# Altium PCB HLib-MBoard1.PcbDoc (part 1 of 2)
Units mil, origin at the board's own origin, x right, y up, seen from the top; angles counter-clockwise.
Board outline 4000.62 x 2451.24 mil, 2 copper layers (Top Layer, Bottom Layer), stack 65.792 mil thick; 130 components, 125 nets, 444 pads, 159 vias.
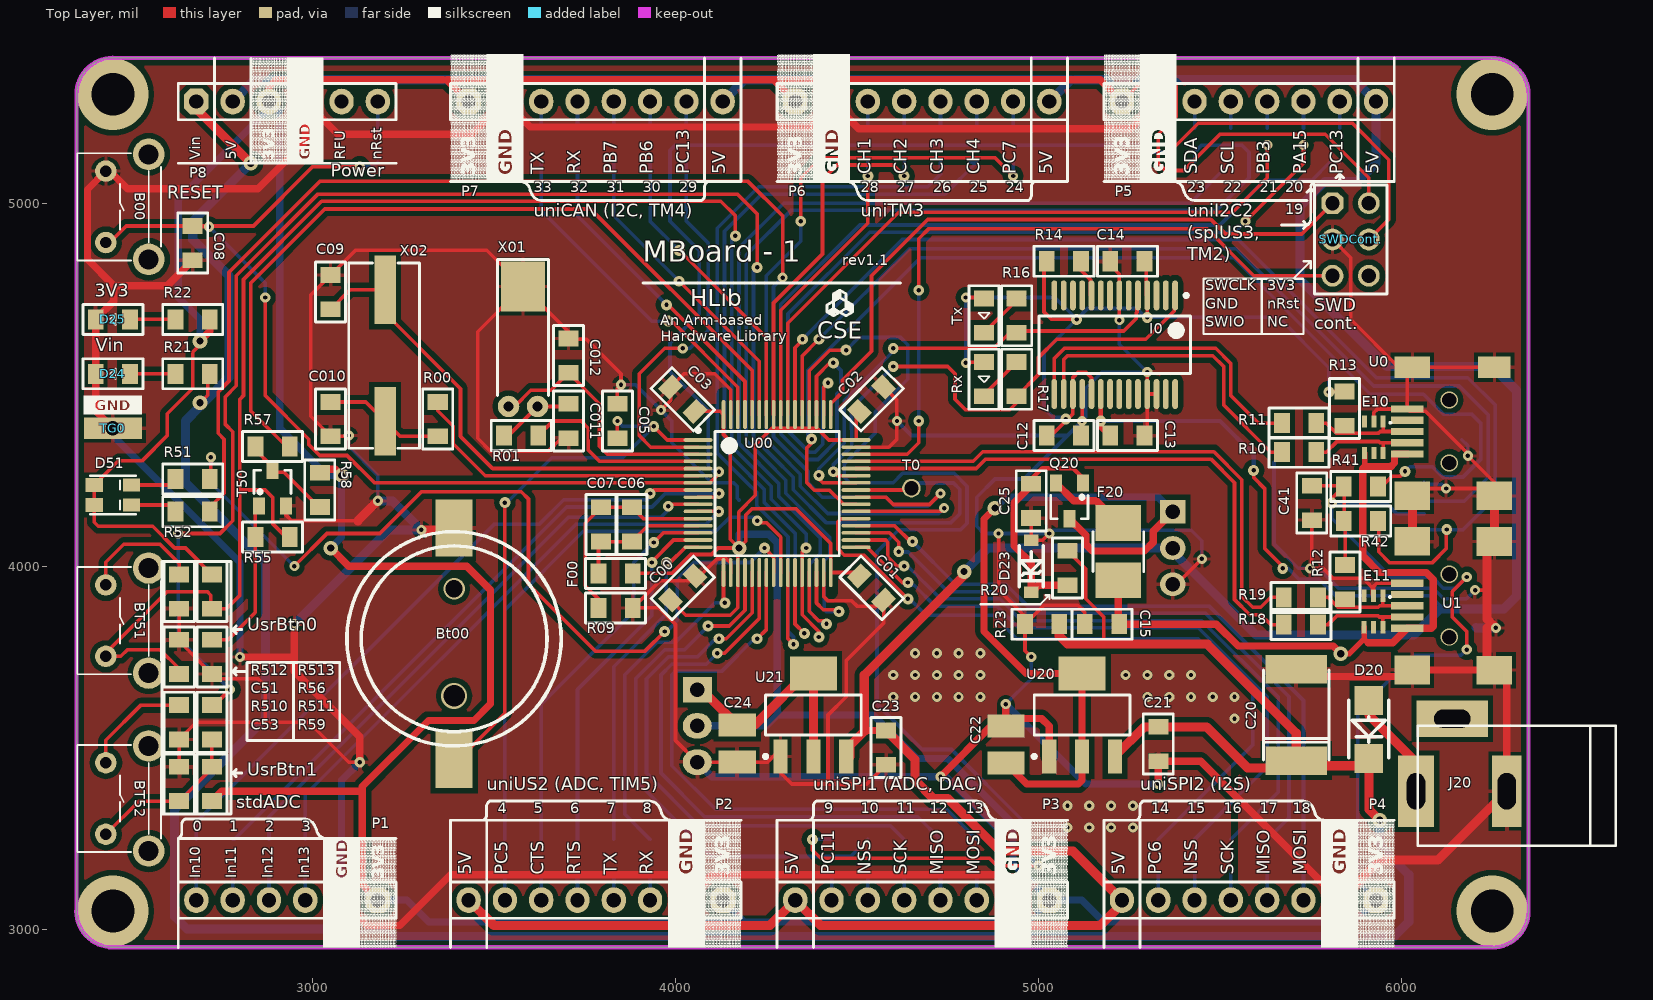
[diagram p0: Top Layer view]
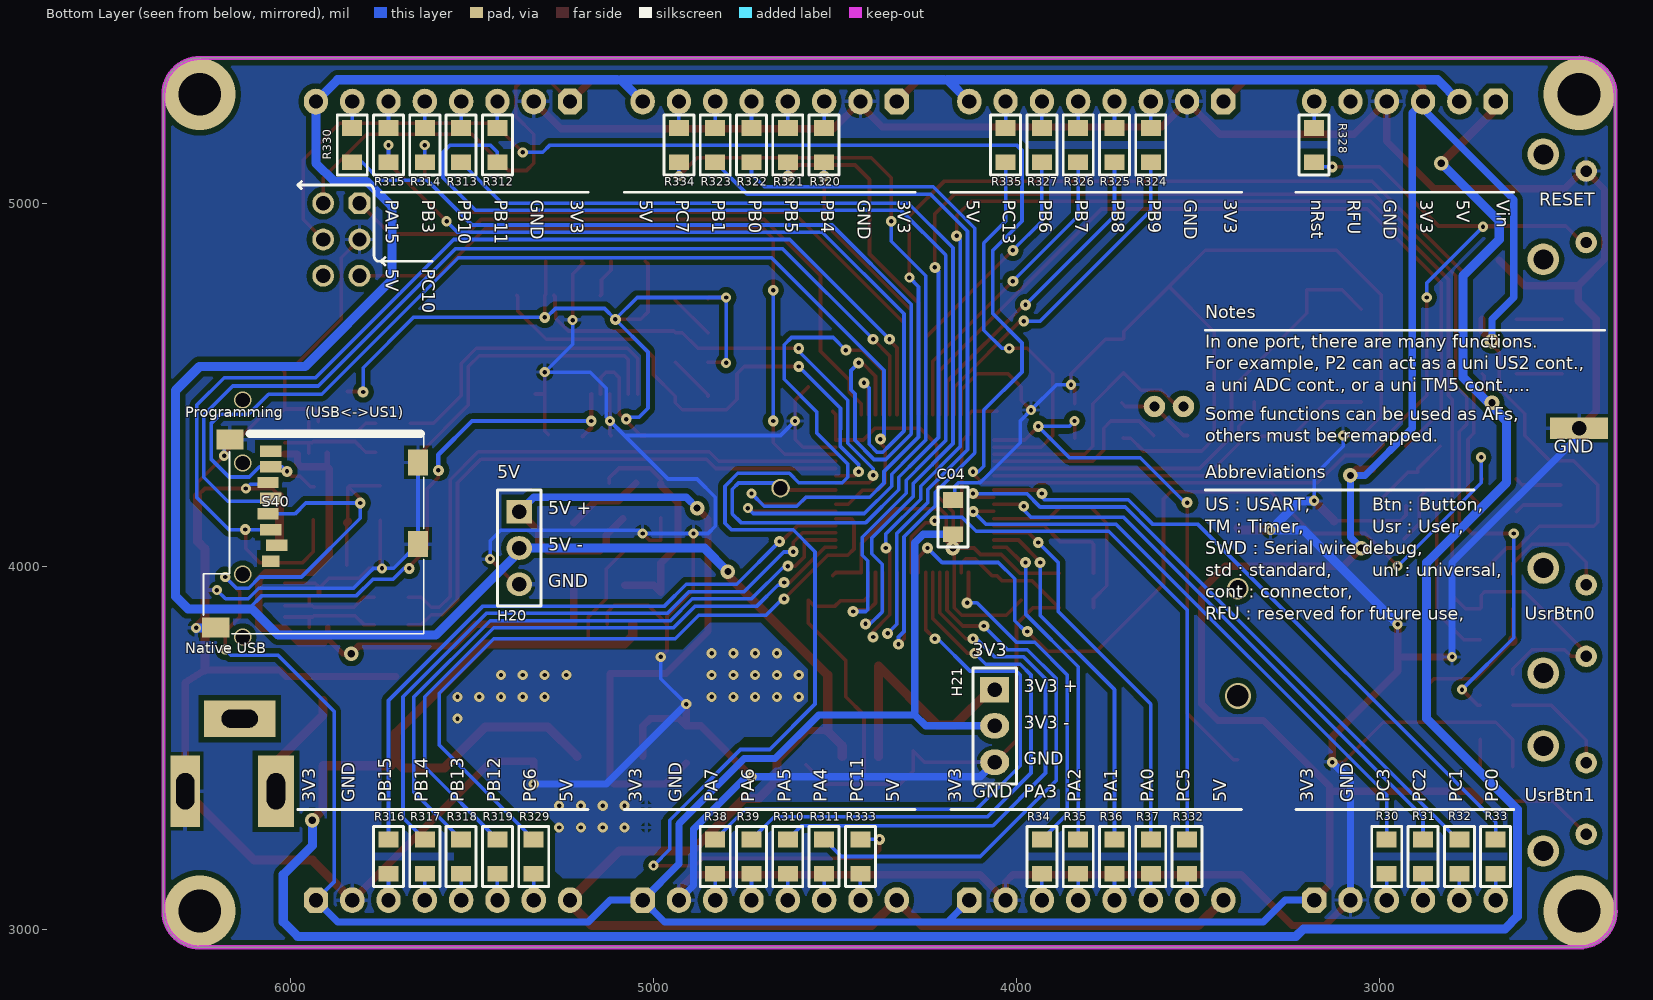
[diagram p1: Bottom Layer view, seen from below]

## Layer stack, top to bottom
Top Layer: signal copper 1.4
Dielectric: core 62.9921, FR-4, Dk 4.8
Bottom Layer: signal copper 1.4

## Board outline
2450,2950 cw(c2449.45,3050.07) 2349.38,3049.88 2350,3049.88 2350,5300 cw(c2450.07,5300.55) 2449.88,5400.62 2449.88,5400 6249.38,5400 6249.38,5399.88 cw(c6249.93,5299.81) 6350,5300 6350,3050 cw(c6249.93,3049.45) 6250.12,2949.38 6250.12,2950

## Design rules (kind name [scope] priority, off if disabled: settings)
Clearance Clearance_1 [(InNamedPolygon('PwrBot') OR InNamedPolygon('PwrTop'))] p1: gap=15
Clearance [(InNamedPolygon('Bot') OR InNamedPolygon('Top'))] p2: gap=15
Clearance Clearance_2 [All] p3: gap=9
DiffPairsRouting DiffPairsRouting_1 [All] p1: maxlimit=10 minlimit=10 mostfreqgap=10 maxuncoupledlength=500
HoleSize [All] p1: absolutevalues=TRUE maxlimit=300 minlimit=1 maxpercent=80.000 minpercent=20.000
PolygonConnect PolygonConnect_1 [(InNamedPolygon('PwrBot') OR InNamedPolygon('PwrTop'))] p1: connectstyle=Direct reliefconductorwidth=10 reliefentries=4 polygonreliefangle="90 Angle" airgapwidth=10
PolygonConnect [All] p2: connectstyle=Relief reliefconductorwidth=10 reliefentries=4 polygonreliefangle="90 Angle" airgapwidth=10
RoutingVias [All] p1: holewidth=25 width=40 viastyle="Through Hole" minholewidth=28 minwidth=50 maxholewidth=28 maxwidth=50
SilkToSilkClearance [All] p1: silktosilkclearance=1
SolderMaskExpansion [All] p1: expansion=4
Width [All] p1: maxlimit=30 minlimit=10 preferedwidth=10
25 further rules are at their usual default settings.

## Classes and differential pairs
component class U_MB1-SD_CARD: C41 R41 R42 S40
component class U_MB1-LED_BUTTON: BT51 BT52 C51 C53 D51 R51 R52 R55 R56 R57 R58 R59 R510 R511 R512 R513 T0 T50
component class U_MB1-USB-r1: C12 C13 C14 C15 E10 E11 I0 R10 R11 R12 R13 R14 R16 R17 R18 R19 Rx Tx U0 U1
component class U_MB1-Pwr-r1: C20 C21 C22 C23 C24 C25 D20 D23 D24 D25 F20 H20 H21 J20 Q20 R20 R21 R22 R23 TG0 U20 U21
component class U_MB1-MCU-r1: B00 Bt00 C00 C01 C02 C03 C04 C05 C06 C07 C08 C09 C010 C011 C012 F00 R00 R01 R09 SWDCont. U00 X01 X02
component class U_MB1-Hed-r1: P1 P2 P3 P4 P5 P6 P7 P8 R30 R31 R32 R33 R34 R35 R36 R37 R38 R39 R310 R311 R312 R313 R314 R315 R316 R317 R318 R319 R320 R321 R322 R323 R324 R325 R326 R327 R328 R329 R330 R332 R333 R334 R335
differential pair D11: +D11_P -D11_N
differential pair D10: +D10_P -D10_N
differential pair D03: +D03_P -D03_N
differential pair D01: +D01_P -D01_N

## Components (designator, comment, footprint, x,y, rotation, side; value= is the part's Value field where it differs from the comment)
B00 "Btn4" Horizon_SW_4pin_rectangular 2470,4990 r270 top
Bt00 "PIN 3V" PIN3VSOCKET-SMD 3390,3800 r270 top (schematic designator B0)
BT51 "User0/Boot" Horizon_SW_4pin_rectangular 2470,3850 r270 top
BT52 "User1" Horizon_SW_4pin_rectangular 2470,3360 r270 top
C00 "CAP Ceramic" SM_0805_LD 4020,3940 r225 top
C01 "CAP Ceramic" SM_0805_LD 4540,3940 r135 top
C02 "CAP Ceramic" SM_0805_LD 4540,4460 r225 top
C03 "CAP Ceramic" SM_0805_LD 4020,4460 r315 top
C04 "CAP Ceramic" SM_0805_LD 4175,4135 r270 bottom
C05 "CAP Ceramic" SM_0805_LD 3840,4400 r270 top
C06 "CAP Ceramic" SM_0805_LD 3880,4115 r270 top
C07 "CAP Ceramic" SM_0805_LD 3795,4115 r270 top
C08 "CAP Ceramic" SM_0805_LD 2670,4890 r90 top
C09 "CAP Ceramic" SM_0805_LD 3050,4755 r270 top
C010 "CAP Ceramic" SM_0805_LD 3050,4405 r90 top
C011 "CAP Ceramic" SM_0805_LD 3705,4400 r90 top
C12 "CAP Ceramic" SM_0805_LD 5070,4360 r0 top
C012 "CAP Ceramic" SM_0805_LD 3705,4580 r270 top
C13 "CAP Ceramic" SM_0805_LD 5245,4360 r180 top
C14 "CAP Ceramic" SM_0805_LD 5245,4840 r0 top
C15 "CAP Ceramic" SM_0805_LD 5175,3840 r0 top
C20 "CapT" TantalumCaseD 5710,3590 r0 top
C21 "CAP Ceramic" SM_0805_LD 5330,3510 r90 top
C22 "CAP Ceramic" SM-1210 4910,3560 r270 top
C23 "CAP Ceramic" SM_0805_LD 4580,3500 r90 top
C24 "CAP Ceramic" SM-1210 4170,3460 r90 top
C25 "CAP Ceramic" SM_0805_LD 4980,4180 r90 top
C41 "CAP_Ceramic" SM_0805_LD 5752.83,4174 r90 top
C51 "CAP_Ceramic" SM_0805_LD 2632.76,3750 r270 top
C53 "CAP_Ceramic" SM_0805_LD 2632.76,3400 r270 top
D20 "1N4007" DO-214AC 5910,3550 r90 top
D23 "5V1/500mW" SOD-123 4980,4000 r90 top
D24 "Red" SM_0805_POL_LD 2450,4530 r180 top
D25 "Orange" SM_0805_POL_LD 2450,4680 r180 top
D51 "LedBiColor-1210" Led-BiColor 2450,4200 r270 top
E10 "TPD4E1U06" SC70-6 5923.83,4355 r180 top
E11 "TPD4E1U06" SC70-6 5922.83,3875 r180 top (schematic designator E1)
F00 "Ferrite bead" SM_0805_LD 3835,3980 r0 top
F20 "F0.5A" SMD-1812 5220,4040 r90 top
H20 "Hed3" Hed3#1 5370,4150 r270 bottom
H21 "Hed3" Hed3#2 4060,3660 r270 bottom
I0 "PL2303-HXD" SSOP-28 5210,4610 r270 top
J20 "Jac DC" DCJack 6040,3380 r180 top
P1 "stdADC" Hed6 3180,3080 r180 top
P2 "uniUSART2/uniADC12/uniTimer5" Hed8 4130,3080 r180 top
P3 "uniSPI1/uniADC12/nuniDAC" Hed8 5030,3080 r180 top
P4 "uniSPI2/extI2S2" Hed8 5930,3080 r180 top (schematic designator P5)
P5 "splUSART3&3IO/uniI2C2/uniTM2" Hed8 5230,5280 r0 top (schematic designator P4)
P6 "uniTM3" Hed8 4330,5280 r0 top
P7 "uniCAN/uniI2C1/uniTM4" Hed8 3430,5280 r0 top
P8 "Power" Hed6 2680,5280 r0 top
Q20 "Si2301DS" SOT23 5085,4180 r180 top
R00 "" SM_0805_LD 3345,4405 r90 top
R01 "" SM_0805_LD 3575,4360 r180 top
R09 "" SM_0805_LD 3835,3885 r180 top
R10 "" SM_0805_LD 5717.83,4314 r0 top
R11 "" SM_0805_LD 5717.83,4394 r0 top
R12 "" SM_0805_LD 5844.83,3956 r270 top
R13 "" SM_0805_LD 5842.83,4434 r90 top
R14 "" SM_0805_LD 5070,4840 r180 top
R16 "" SM_0805_LD 4940,4690 r90 top
R17 "" SM_0805_LD 4940,4515 r90 top
R18 "" SM_0805_LD 5722.83,3839 r0 top
R19 "" SM_0805_LD 5722.83,3914 r0 top
R20 "" SM_0805_LD 5080,3995 r90 top
R21 "" SM_0805_LD 2670,4530 r0 top
R22 "" SM_0805_LD 2670,4680 r0 top
R23 "" SM_0805_LD 5010,3840 r0 top
R30 "R" SM_0805_LD 2980,3200 r270 bottom
R31 "R" SM_0805_LD 2880,3200 r270 bottom
R32 "R" SM_0805_LD 2780,3200 r270 bottom
R33 "R" SM_0805_LD 2680,3200 r270 bottom
R34 "R" SM_0805_LD 3930,3200 r270 bottom
R35 "R" SM_0805_LD 3830,3200 r270 bottom
R36 "R" SM_0805_LD 3730,3200 r270 bottom
R37 "R" SM_0805_LD 3630,3200 r270 bottom
R38 "R" SM_0805_LD 4830,3200 r270 bottom
R39 "R" SM_0805_LD 4730,3200 r270 bottom
R41 "" SM_0805_LD 5887.83,4219 r180 top
R42 "" SM_0805_LD 5887.83,4124 r180 top
R51 "" SM_0805_LD 2670,4240 r180 top
R52 "" SM_0805_LD 2670,4150 r180 top
R55 "" SM_0805_LD 2890,4080 r0 top
R56 "" SM_0805_LD 2722.76,3750 r90 top
R57 "" SM_0805_LD 2890,4330 r180 top
R58 "" SM_0805_LD 3020,4210 r90 top
R59 "" SM_0805_LD 2722.76,3400 r270 top
R310 "R" SM_0805_LD 4630,3200 r270 bottom
R311 "R" SM_0805_LD 4530,3200 r270 bottom
R312 "R" SM_0805_LD 5430,5160 r90 bottom
R313 "R" SM_0805_LD 5530,5160 r90 bottom
R314 "R" SM_0805_LD 5630,5160 r90 bottom
R315 "R" SM_0805_LD 5730,5160 r90 bottom
R316 "R" SM_0805_LD 5730,3200 r270 bottom
R317 "R" SM_0805_LD 5630,3200 r270 bottom
R318 "R" SM_0805_LD 5530,3200 r270 bottom
R319 "R" SM_0805_LD 5430,3200 r270 bottom
R320 "R" SM_0805_LD 4530,5160 r90 bottom
R321 "R" SM_0805_LD 4630,5160 r90 bottom
R322 "R" SM_0805_LD 4730,5160 r90 bottom
R323 "R" SM_0805_LD 4830,5160 r90 bottom
R324 "R" SM_0805_LD 3630,5160 r90 bottom
R325 "R" SM_0805_LD 3730,5160 r90 bottom
R326 "R" SM_0805_LD 3830,5160 r90 bottom
R327 "R" SM_0805_LD 3930,5160 r90 bottom
R328 "R" SM_0805_LD 3180,5160 r90 bottom
R329 "R" SM_0805_LD 5330,3200 r270 bottom
R330 "R" SM_0805_LD 5830,5160 r90 bottom
R332 "R" SM_0805_LD 3530,3200 r270 bottom
R333 "R" SM_0805_LD 4430,3200 r270 bottom
R334 "R" SM_0805_LD 4930,5160 r90 bottom
R335 "R" SM_0805_LD 4030,5160 r90 bottom
R510 "" SM_0805_LD 2632.76,3570 r90 top
R511 "" SM_0805_LD 2722.76,3570 r90 top
R512 "" SM_0805_LD 2632.76,3930 r90 top
R513 "" SM_0805_LD 2722.76,3930 r90 top
Rx "Blue" SM_0805_POL_LD 4850,4515 r270 top
S40 "micro-SD" micro-SD 5632.83,3814 r90 bottom (schematic designator S0)
SWDCont. "SWD" Hed3x2-RA 5860,4900 r270 top
T0 "TestPoint" TestPoint#1 4650,4215 r0 top
T50 "C1815" SOT23 2890,4215 r0 top
TG0 "TestPoint" TestPoint#2 2450,4380 r0 top
Tx "Green" SM_0805_POL_LD 4850,4690 r270 top
U00 "STM32F103RDT6" LQFP64_L 4280,4200 r0 top
U0 "Usb2Com" USB-mini-B#1 6017.83,4309 r270 top
U1 "UsbNative" USB-mini-B#2 6017.83,3829 r270 top
U20 "AMS1117-5" MP04A_N 5120,3590 r90 top
U21 "AMS1117-3.3" MP04A_N 4380,3590 r90 top
X01 "Crystal 32.768 k" XT32-LOB 3580,4440 r180 top
X02 "Crystal 2 pin." HC49/US-SMD 3200,4580 r270 top

## Footprints (in the part's own frame and the unit in brackets; to place one, negate y for a bottom-side part, rotate by r counter-clockwise, add the part's x,y. Pads: shape width x height; smd on the part's side, far side on the other; paste and mask are expansions set on the pad)
DCJack [mm]
  rect 2.54x5 hole 1.27 slot 2.54 at 90 deg: 1(0,0)
  rect 2.032x5 hole 1.27 slot 2.54 at 90 deg: 2(-6.35,0)
  rect 5x2.54 hole 1.27 slot 2.54 at 0 deg: 3(-2.54,-5.08)
  silkscreen extent -13.97,-4.57 -0.13,3.81, body extent -13.47,-5.23 1.03,4.57, height 11
DO-214AC [mm]
  rect 2x2 smd: 1(2.03,0) 2(-2.03,0)
  silkscreen extent -1.98,-1.4 2.03,1.4, body extent -2.74,-1.4 2.74,1.4, height 2.29
HC49/US-SMD [mm]
  rect 4.8x1.5 smd: 1(-4.6,0) 2(4.6,0)
  silkscreen extent -6.48,-2.54 6.48,2.41, body extent -6.35,-2.41 6.35,2.29, height 4.2
Hed3#1 [mil]
  rect 65x70 hole 40: 1(0,0)
  oval 65x70 hole 40: 2(100,0) 3(200,0)
  silkscreen extent -60,-60 260,60
Hed3#2 [mil]
  rect 70x80 hole 40: 1(0,0)
  oval 70x80 hole 40: 2(100,0) 3(200,0)
  silkscreen extent -60,-60 260,60
Hed3x2-RA [mil]
  oct 60x60 hole 39.37: 1(-100,-50)
  round 60 hole 39.37: 2(-100,50) 3(0,-50) 4(0,50) 5(100,-50) 6(100,50)
  Mechanical 15 keep-out lines w3.94: 150,-100 150,100 -150,100 -150,-100
  silkscreen extent -150,-100 150,100, body extent -300,28 300,508, height 373
Hed6 [mm] "Header 6 pin 2.54mm"
  oct 1.7x1.8 hole 1: 1(0,0)
  oval 1.7x1.8 hole 1: 2(2.54,0) 3(5.08,0) 4(7.62,0) 5(10.16,0) 6(12.7,0)
  silkscreen extent -1.27,-1.27 13.97,1.27, body extent -1.27,-1.27 13.97,1.27, height 8
Hed8 [mm]
  oct 1.7x1.8 hole 1: 1(0,0)
  oval 1.7x1.8 hole 1: 2(2.54,0) 3(5.08,0) 4(7.62,0) 5(10.16,0) 6(12.7,0) 7(15.24,0) 8(17.78,0)
  silkscreen extent -1.27,-1.27 19.05,1.27, body extent -1.27,-1.27 19.05,1.27, height 8
Horizon_SW_4pin_rectangular [mm] "Horizon tact switch 4pin rectangular button"
  round 1.5 hole 0.8: 1(-2.5,-1) 2(2.5,-1)
  round 2.2 hole 1.4: 3(-3.675,2) 4(3.675,2)
  silkscreen extent -3.75,-3 3.75,2.85, body extent -3.9,-4.1 3.9,-0.5, height 3.5
Led-BiColor [mm]
  rect 0.9x1.2 smd: 1(0.8,1.3) 2(-0.6,1.3)
  rect 1x1.2 smd: 3(-0.6,-1.3) 4(0.8,-1.3)
  silkscreen extent -1.25,-1.6 1.45,1.6
LQFP64_L [mil] "Thin QFP, 64-Leads, Body 10x10mm, Pitch 0.5mm, IPC High Density"
  oval 80x10 smd: 1(-217.52,147.64) 2(-217.52,127.95) 3(-217.52,108.27) 4(-217.52,88.58) 5(-217.52,68.9) 6(-217.52,49.21) 7(-217.52,29.53) 8(-217.52,9.84) 9(-217.52,-9.84) 10(-217.52,-29.53) 11(-217.52,-49.21) 12(-217.52,-68.9) 13(-217.52,-88.58) 14(-217.52,-108.27) 15(-217.52,-127.95) 16(-217.52,-147.64) 33(217.52,-147.64) 34(217.52,-127.95) 35(217.52,-108.27) 36(217.52,-88.58) 37(217.52,-68.9) 38(217.52,-49.21) 39(217.52,-29.53) 40(217.52,-9.84) 41(217.52,9.84) 42(217.52,29.53) 43(217.52,49.21) 44(217.52,68.9) 45(217.52,88.58) 46(217.52,108.27) 47(217.52,127.95) 48(217.52,147.64)
  oval 10x80 smd: 17(-147.64,-217.52) 18(-127.95,-217.52) 19(-108.27,-217.52) 20(-88.58,-217.52) 21(-68.9,-217.52) 22(-49.21,-217.52) 23(-29.53,-217.52) 24(-9.84,-217.52) 25(9.84,-217.52) 26(29.53,-217.52) 27(49.21,-217.52) 28(68.9,-217.52) 29(88.58,-217.52) 30(108.27,-217.52) 31(127.95,-217.52) 32(147.64,-217.52) 49(147.64,217.52) 50(127.95,217.52) 51(108.27,217.52) 52(88.58,217.52) 53(68.9,217.52) 54(49.21,217.52) 55(29.53,217.52) 56(9.84,217.52) 57(-9.84,217.52) 58(-29.53,217.52) 59(-49.21,217.52) 60(-68.9,217.52) 61(-88.58,217.52) 62(-108.27,217.52) 63(-127.95,217.52) 64(-147.64,217.52)
  silkscreen extent -222,-171 171,179, body extent -197,-197 197,197, height 63
micro-SD [mm]
  rect 0.8x1.219 smd: 1(5.08,10.703)
  rect 0.8x1.5 smd: 2(6.18,10.303) 3(7.28,10.703) 4(8.38,10.903) 5(9.48,10.703) 6(10.58,10.903) 7(11.68,10.703) 8(12.78,10.703)
  rect 1.8x1.4 smd: 9(11.98,0.403) 10(6.28,0.403)
  rect 1.4x1.9 smd: 11(0.43,14.553) 12(13.58,13.553)
  silkscreen extent 0,0 14,15.42, body extent -0.08,-0.07 14.17,15.13, height 1.85
MP04A_N [mm] "SOT223, 4-Leads, Body 6.5x3.5mm, Pitch 2.3mm, Lead Span 7mm, IPC Medium Density"
  rect 2.4x1 smd: 1(-2.9,2.3) 2(-2.9,0) 3(-2.9,-2.3)
  rect 2.4x3.3 smd: 4(2.9,0)
  silkscreen extent -3.02,-3.35 1.4,3.47, body extent -1.85,-3.35 1.85,3.35, height 1.8
PIN3VSOCKET-SMD [mm]
  rect 4x2.6 smd: 1(8.46,0) 2(-7.74,0)
  silkscreen extent -7.5,-7.5 7.5,7.5, body extent -8.74,-7.49 9.76,7.5, height 3.94
SC70-6 [mm]
  rect 0.35x0.85 smd: 1(-0.65,-1.1) 2(0,-1.1) 3(0.65,-1.1) 4(0.65,1.1) 5(0,1.1) 6(-0.65,1.1)
  silkscreen extent -1.16,-1.03 -1.14,-1.01, body extent -1.07,-0.7 1.07,0.7, height 1.1
SM-1210 [mm]
  rect 1.6x2.6 smd: 1(0,0) 2(2.6,0)
  body extent -0.3,-1.25 2.9,1.25, height 0.74
SM_0805_LD [mm] "General Surface-mount RLC, low density"
  rect 1.1x1.4 smd: 1(-1.2,0) 2(1.2,0)
  silkscreen extent -2.1,-1.05 2.1,1.05, body extent -1.2,-0.7 1.2,0.7, height 0.7
SM_0805_POL_LD [mm] "General polarized surface-mount cap, led, diode, low density"
  rect 1.1x1.4 smd: 1(-1.2,0) 2(1.2,0)
  silkscreen extent -2.1,-1.05 2.1,1.05, body extent -1.2,-0.7 1.2,0.7, height 0.7
SMD-1812 [mm] "1.1AFuse"
  rect 2.5x3.2 smd: 1(-2,0) 2(2,0)
  silkscreen extent -1.4,-1.78 1.4,1.78, body extent -2.36,-1.7 2.37,1.71, height 1.34
SOD-123 [mm]
  rect 0.8x1 smd: 1(1.825,0) 2(-1.825,0)
  silkscreen extent -1.43,-0.85 1.43,0.85, body extent -1.93,-0.84 1.93,0.86, height 1.42
SOT23 [mm]
  rect 0.85x1.2 smd: 1(-0.95,-1.25) 2(0.94,-1.245) 3(0,1.25)
  silkscreen extent -1.3,-0.38 1.3,1.25, body extent -1.45,-1.4 1.45,1.4, height 1.3
SSOP-28 [mm]
  oval 2.1x0.4 smd: 1(-3.45,4.225) 2(-3.45,3.575) 3(-3.45,2.925) 4(-3.45,2.275) 5(-3.45,1.625) 6(-3.45,0.975) 7(-3.45,0.325) 8(-3.45,-0.325) 9(-3.45,-0.975) 10(-3.45,-1.625) 11(-3.45,-2.275) 12(-3.45,-2.925) 13(-3.45,-3.575) 14(-3.45,-4.225) 15(3.45,-4.225) 16(3.45,-3.575) 17(3.45,-2.925) 18(3.45,-2.275) 19(3.45,-1.625) 20(3.45,-0.975) 21(3.45,-0.325) 22(3.45,0.325) 23(3.45,0.975) 24(3.45,1.625) 25(3.45,2.275) 26(3.45,2.925) 27(3.45,3.575) 28(3.45,4.225)
  silkscreen extent -3.57,-5.3 2,5.3, body extent -2.7,-5.3 2.7,5.3, height 2
TantalumCaseD [mm] "Size D8, 100uF."
  rect 4.3x2 smd: 1(0,-3.2) 2(0,3.2)
  silkscreen extent -2.29,-3.15 2.29,3.15, body extent -2.15,-3.65 2.15,3.65, height 2.8
TestPoint#1 [mm]
  round 1.3 hole 1: 1(0,0)
TestPoint#2 [mm]
  rect 4.064x1.524 hole 1: 1(0,0)
USB-mini-B#1 [mil]
  rect 19.68x88.58 smd: 1(0,-2) 2(-31,-2) 3(-62,-2) 4(-93,-2) 5(-124,-2)
  rect 60x98.43 smd: 6(-239.17,12)
  rect 60x90 smd: 6(-239,238)
  rect 78.74x98.43 smd: 6(115.17,12) 6(115.33,238)
  body extent -273,-15 149,348, height 156
USB-mini-B#2 [mil]
  rect 19.68x88.58 smd: 1(0,-2) 2(-31,-2) 3(-62,-2) 4(-93,-2) 5(-124,-2)
  rect 78.74x98.43 smd: 6(-239.17,12) 6(115.17,12) 6(115.33,238)
  rect 78.74x98.42 smd: 6(-239,238)
  body extent -273,-15 149,348, height 156
XT32-LOB [mm] "Crystal 32K, cylinder, lie on board"
  rect 3.1x3.5 smd: 0(0,-8.4)
  round 1.5 hole 0.7: 1(-1.016,0) 2(1.016,0)
  silkscreen extent -1.78,-10.29 1.78,-0.76, body extent -1.56,-9.56 1.52,-1.36, height 3.1

## Part data
Bt00: "Battery 3VDC"
BT51 BT52: library part Button, "Tact switch"
C00 C01 C02 C03 C04 C05 C06 C07 C08 C09 C010 C011 C12 C012 C13 C14 C15 C21 C22 C23 C24 C25: "Non-polarity ceramic capacitor"
C20: library part CapA
C41 C51 C53: library part C_Ceramic, "Non-polarity ceramic capacitor"
D20: library part D1A, "Diode 1A"
D23: library part DZ, "Diode Zenner"
D24 D25 Rx Tx: library part LED, "LED"
F00 R00 R01 R09 R10 R11 R12 R13 R14 R16 R17 R18 R19 R20 R21 R22 R23 R41 R42 R51 R52 R55 R56 R57 R58 R59 R510 R511 R512 R513: library part R, "Resistor"
F20: library part Fuse, "Fuse"
J20: library part DCIN, "Jac DC input"
P1 P8: library part Hed6
P2 P3 P4 P5 P6 P7: library part Hed8
Q20: library part P-MOSFET, "P-Channel 1.25-W, 2.5-V MOSFET"
R30 R31 R32 R33 R34 R35 R36 R37 R38 R39 R310 R311 R312 R313 R314 R315 R316 R317 R318 R319 R320 R321 R322 R323 R324 R325 R326 R327 R328 R329 R330 R332 R333 R334 R335: "Resistor"
SWDCont.: library part HD_3x2, "Header, 3-pins/row, double row,"
U00: library part STM32F103RBT6, "STM32 ARM-based 32-bit MCU with 128 Kbytes Flash, 64-pin LQFP, Industrial Temperature"
U0 U1: library part USB-Mini-B
U20 U21: library part LM1117IMP-3.3, "800mA Low-Dropout Linear Regulator, 4-pin SOT-223"
X01: library part XT32k
X02: library part XT2

## Via types
v1: diameter 28, hole 12, Top Layer to Bottom Layer, tented both sides, 80 vias
v2: diameter 30, hole 12, Top Layer to Bottom Layer, tented both sides, 59 vias
v3: diameter 40, hole 20, Top Layer to Bottom Layer, tented both sides, 10 vias
v4: diameter 196.85, hole 118.11, Top Layer to Bottom Layer, tented both sides, 4 vias
v5: diameter 47.24, hole 39.37, Top Layer to Bottom Layer, 4 vias
v6: diameter 70.87, hole 59.06, Top Layer to Bottom Layer, 1 vias
v7: diameter 59.06, hole 47.24, Top Layer to Bottom Layer, 1 vias

## Nets (pads, with @x,y where several pads share a name; then routed paths per layer and width w, separated by ;. In a path a pad name is that pad's centre, name@x,y a point inside that pad or via, vN(x,y) a via of type N, cw(c..) or ccw(c..) an arc to the next point about the centre after c; other vN are vias at no path point)
3V3: C00.2 C01.2 C02.2 C03.2 C04.2 C41.2 D51.3 D51.4 F00.2 H21.2 P1.1 P2.1 P3.1 P4.1 P5.1 P6.1 P7.1 P8.3 R12.1 R22.2 R41.2 R42.2 R58.2 R59.2 R513.2 S40.4 SWDCont..2 U00.19 U00.32 U00.48 U00.64 | length 18569.6
  Top Layer w10: v3(2690,4620) 2690,4610 2670,4590 2670,4490 2600,4420 2600,4360 2530,4290 2465.2,4290 D51.3@2398.82,4223.62 D51.4@2398.82,4168.5 2398.82,4121.18 2410,4110 2560,4110 2620,4050 2650,4050 R513.2@2722.76,3977.24 ; F00.2@3882.24,3980 3990,3980 4042.21,4032.21 4099.21,4032.21 4117,4050 v3@4174,4050 ; C00.2@3986.59,3906.59 4028.19,3865 4151,3865 4171.73,3885.73 U00.19@4171.73,3982.48 4171.73,4046.73 4174,4049 v3@4174,4050 ; C03.2@4053.41,4426.59 4123.29,4426.59 U00.64@4132.36,4417.52 4132.36,4362.64 4151,4344 4151,4074 v3@4174,4051 ; C01.2@4506.59,3973.41 4497.52,3982.48 U00.32@4427.64,3982.48 4427.64,4062.36 4331.42,4158.58 4211.15,4158.58 4193.58,4141.01 4193.58,4068.58 v3(4175,4050) v3@4174,4050 ; C02.2@4506.59,4426.59 4497.52,4417.52 U00.48@4497.52,4347.64 4422.36,4347.64 4390,4380 4266,4380 4220,4334 4220,4195 4174,4149 v3@4174,4051 ; P5.1@5230,5280 5290,5340 5360,5340 5380,5320 5380,5240 5330,5190 5330,5110 5350,5090 5400,5090 5500,5190 5790,5190 5910,5070 SWDCont..2@5910,5000 ; C41.2@5752.83,4221.24 5838.35,4221.24 R41.2@5840.59,4219 ; v2(5807.83,4174) 5807.83,4186.24 R41.2@5840.59,4219 ; R42.2@5842.59,4128 5842.59,4217 R41.2@5840.59,4219 ; R12.1@5844.83,4003.24 R42.2@5844.83,4119.76 ; v1(6180,3770) 6180,3820 6140,3860 6140,3930 v1(6180,3970) ; v3@4174,4050 v3@4174,4051
  Top Layer w20: v3(2690,4620) 2717.24,4647.24 R22.2@2717.24,4680 ; R59.2@2722.76,3352.76 2750,3380 3137.24,3380 ; P8.3@2880,5280 2880,5320 2900,5340 3360,5340 ; R58.2@3020,4267.24 3062.76,4267.24 v3(3080,4250) ; v3(3050,4050) 3100,4000 3425,4000 3490,3935 3490,3620 3445,3575 3319.49,3575 3137.24,3392.76 3137.24,3380 ; P1.1@3180,3080 3137.24,3122.76 3137.24,3380 ; P7.1@3430,5280 3370,5340 4270,5340 ; P6.1@4330,5280 4270,5340 ; P5.1@5230,5280 5170,5340 4270,5340 ; R42.2@5840.59,4124 R42.2@5844.83,4119.76
  Bottom Layer w10: P4.1@5930,3080 5880,3130 5880,3600 6035,3755 6165,3755 v1(6180,3770) ; S40.4@6062.07,4143.92 5987.91,4143.92 5957.83,4174 v2(5807.83,4174) 5807.83,4132.17 5970,3970 6084.4,3970 6115.41,3938.99 6148.99,3938.99 v1(6180,3970)
  Bottom Layer w20: v3(2690,4620) 2690,4680 2630,4740 2630,5010 2880,5260 P8.3@2880,5280 2910,5250 2910,4380 3040,4250 v3(3080,4250) 3080,4080 v3(3050,4050) ; P1.1@3180,3080 3260,3080 3320,3020 4190,3020 ; H21.2@4060,3560 4250,3560 4280,3590 ; P2.1@4130,3080 4190,3020 ; v3(4175,4050) C04.2@4175,4087.76 4256.74,4087.76 4280,4064.5 4280,3590 ; P4.1@5930,3080 5870,3020 5180,3020 5120,3080 P3.1@5030,3080 ; 4190,3020 4970,3020 P3.1@5030,3080 ; 4280,3590 4545,3590 4665,3470 4750,3470 4930,3290 4930,3180 P3.1@5030,3080
5V: C13.2 C23.2 H20.2 I0.20 P2.8 P3.8 P4.8 P5.8 P6.8 P7.8 P8.2 U21.3 | length 11885
  Top Layer w10: v2(5592.83,4264) 5592.83,4244 5622.83,4214 5622.83,4049 v2@5675.33,3996.5
  Top Layer w12: I0.20@5171.61,4474.17 v2(5171.61,4400) 5171.61,4381.14 C13.2@5195.26,4357.5
  Top Layer w20: 4520,3545.28 4521.97,3547.24 C23.2@4580,3547.24
  Top Layer w25: P2.8@3430,3080 3500,3010 4260,3010 P3.8@4330,3080 4400,3010 5170,3010 5230,3070 P4.8@5230,3080 5095,3215 4895,3215 4750,3360 4710,3360 4660,3410 4660,3467.24 C23.2@4580,3547.24 ; U21.3@4480,3475.83 4480,3505.28 4520,3545.28 4520,3700 4795,3975 v3(4795,3985)
  Bottom Layer w10: v2(5672.83,3994) 5687.64,3994 5717.64,3964 5772.98,3964 5817.98,3919 6078.84,3919 6113.84,3884
  Bottom Layer w12: v2(5171.61,4400) 5500,4400 5592.83,4307.17 v2(5592.83,4264)
  Bottom Layer w25: P8.2@2780,5280 2840,5340 4190,5340 P7.8@4130,5280 ; 4200,5340 5090,5340 P6.8@5030,5280 ; v3(4795,3985) 4860,4050 H20.2@5370,4050 5370,4040 5600,3810 6033.83,3810 6106.33,3882.5 6282.5,3882.5 6316.79,3916.79 6316.79,4483.93 6250.73,4550 5960,4550 5720,4790 5720,4990 5790,5060 5880,5060 5930,5110 P5.8@5930,5280 5870,5340 5100,5340
AIN0: R33.1 U00.8 | length 1815
  Top Layer w10: v2(3930,4200) 3939.84,4209.84 U00.8@4062.48,4209.84
  Bottom Layer w10: R33.1@2680,3247.24 2680,3295 3500,4115 3624,4115 3692,4183 3923,4183 3930,4190 v2(3930,4200)
AIN1: R32.1 U00.9 | length 1796.2
  Top Layer w10: U00.9@4062.48,4190.16 4110.16,4190.16 v2(4120,4200)
  Bottom Layer w10: R32.1@2780,3247.24 2784.53,3247.24 3700.28,4163 3935,4163 3972,4200 v2(4120,4200)
AIN2: R31.1 U00.10 | length 1607.5
  Top Layer w10: v2(3980,4165) 3985.47,4170.47 U00.10@4062.48,4170.47
  Bottom Layer w10: R31.1@2880,3247.24 2880,3310 3705,4135 3960,4135 3980,4155 v2(3980,4165)
AIN3: R30.1 U00.11 | length 1642.1
  Top Layer w10: U00.11@4062.48,4150.79 v2(4119.21,4150.79)
  Bottom Layer w10: R30.1@2980,3247.24 2980,3370 3725,4115 4083.43,4115 v2(4119.21,4150.79)
BOOT0: R57.1 U00.60 | length 2261.6
  Top Layer w10: R57.1@2927.24,4330 2830,4427.24 2830,4780 3034,4984 3766,4984 4211.1,4538.9 U00.60@4211.1,4417.52
BOOT1: BT51.2 C51.2 R55.2 R513.1 U00.28 | length 4581.5
  Top Layer w10: C51.2@2632.76,3702.76 2632.76,3717.24 2580,3770 2490,3770 2471.57,3751.57 BT51.2@2430.63,3751.57 2430.63,3760.63 2600,3930 2710,3930 2720,3920 2720,3885.51 R513.1@2722.76,3882.76 2762.76,3882.76 2800,3920 2800,4460 2810,4470 2810,4790 3025,5005 4125,5005 4165,4965 v2(4165,4910) ; 2800,4210 2870,4210 2890,4190 2890,4117.24 R55.2@2932.24,4075 ; v2@4355,4045 4348.9,4038.9 U00.28@4348.9,3982.48 4348.9,3866.1 4395,3820 v2(4395,3805)
  Bottom Layer w10: v2(4165,4910) 4155,4900 4155,4329.58 4210,4274.58 4210,4273.58 4224.69,4258.9 4225.34,4258.9 4264,4220.24 4264,4184.43 4360,4088.43 v2(4360,4050)
CAN_RX/I2C1_SCK/TM4_CH3: R325.1 U00.61 | length 887.8
  Top Layer w10: v2@3977.5,4722.5 4191.42,4508.58 U00.61@4191.42,4417.52
  Bottom Layer w10: R325.1@3730,5112.76 3730,4965 v2(3975,4720)
CAN_TX/I2C1_SDA/TM4_CH4: R324.1 U00.62 | length 948.9
  Top Layer w10: v2@3985,4680 4171.73,4493.27 U00.62@4171.73,4417.52
  Bottom Layer w10: R324.1@3630,5112.76 3630,4980 3935,4675 v2(3980,4675)
CLOCKOUT: R511.2 T0.1 U00.41 | length 4651.5
  Top Layer w10: v1(2630,4090) 2745,4090 2780,4125 2780,4370 2760,4390 2760,4466.87 2790,4496.87 2790,4800 3015,5025 4170,5025 4225,4970 v2(4225,4823.28) ; R511.2@2722.76,3617.24 2730,3617.24 v1(2772.76,3660) ; U00.41@4497.52,4209.84 4644.84,4209.84 T0.1@4650,4215
  Bottom Layer w10: v1(2630,4090) 2630,3802.76 v1(2772.76,3660) ; v2(4225,4823.28) 4215,4813.28 4215,4354.44 4270,4299.44 4270,4299.09 4324,4245.09 4324,4210.85 4414.85,4120 4759,4120 4783,4144 4783,4212 4766,4229 4664,4229 T0.1@4650,4215
D01_N: E10.6 R10.2 U0.2 | length 291.1
  Top Layer w10: R10.2@5765.08,4314 5792.83,4314 5822.26,4343.43 5936.94,4343.43 5940.36,4340 U0.2@6015.83,4340 ; E10.6@5949.43,4311.69 5949.43,4338.41
D01_P: E10.1 R11.2 R13.1 U0.3 | length 289.7
  Top Layer w10: R11.2@5765.08,4394 5792.83,4394 5820.26,4366.57 5936.94,4366.57 5941.36,4371 U0.3@6015.83,4371 ; 5949.43,4372.59 E10.1@5949.43,4398.31
D03_N: I0.16 R10.1 | length 873.1
  Top Layer w10: I0.16@5069.25,4474.17 5069.25,4569.25 5080,4580 5480,4580 5510,4550 5510,4444 5640,4314 R10.1@5670.59,4314
D03_P: I0.15 R11.1 | length 873.4
  Top Layer w10: I0.15@5043.66,4474.17 5043.66,4571.95 5071.72,4600 5488.28,4600 5530,4558.28 5530,4470 5606,4394 R11.1@5670.59,4394
D10_N: E11.6 R18.2 U1.2 | length 288.1
  Top Layer w10: R18.2@5770.08,3839 5797.83,3839 5822.26,3863.43 5935.94,3863.43 5939.36,3860 5954.43,3860 ; E11.6@5948.43,3831.69 5948.43,3854 5954.43,3860 ; U1.2@6015.83,3860 5954.43,3860
D10_P: E11.1 R12.2 R19.2 U1.3 | length 287.5
  Top Layer w10: R19.2@5770.08,3914 5797.83,3914 5825.26,3886.57 5935.94,3886.57 5940.36,3891 5945.43,3891 ; E11.1@5948.43,3918.31 5948.43,3894 5945.43,3891 ; U1.3@6015.83,3891 5945.43,3891
D11_N: R18.1 U00.44 | length 1566.3
  Top Layer w10: U00.44@4497.52,4268.9 4828.9,4268.9 4855,4295 5475,4295 5540,4230 5540,3908.22 5581.72,3866.5 5612.5,3866.5 5640,3839 R18.1@5675.59,3839
D11_P: R19.1 U00.45 | length 1566.3
  Top Layer w10: U00.45@4497.52,4288.9 4820.61,4288.9 4846.72,4315 5483.28,4315 5560,4238.28 5560,3916.5 5590,3886.5 5612.5,3886.5 5640,3914 R19.1@5675.59,3914
DATALINE_BIT0: R41.1 S40.7 U00.39 | length 3094.9
  Top Layer w10: v2(4375,4350) 4375,4349 v2@4380,4344 ; v2@4380,4345 v2@4380,4344 ; U00.39@4497.52,4170.47 4463.44,4170.47 4424.39,4209.53 4382.47,4209.53 4362,4230 4362,4326 v2@4380,4344 ; R41.1@5935.08,4219 5945.2,4219 5974.41,4248.2 5997.04,4248.2 v2(6009.83,4261)
  Bottom Layer w10: v2(4375,4350) 4375,4349 4365,4359 4365,4540 4675,4850 5537.85,4850 5913.85,4474 6060.4,4474 6115.41,4418.99 6192.84,4418.99 6218.8,4393.03 6218.8,4294.97 6169.6,4245.76 6113.33,4245.76 6085.25,4273.84 S40.7@6054.19,4273.84 6022.68,4273.84 v2(6009.83,4261)
DEBUGGREEN: R51.1 U00.24 | length 2418.8
  Top Layer w10: R51.1@2717.24,4240 2720,4242.76 v1(2720,4300) ; v1(2950,4000) 3040,4090 3185,4090 3300,4205 3575,4205 3595,4185 3595,3950 3779,3766 3916,3766 v2(3970,3820) ; v2(4245,4050) 4270.16,4024.84 U00.24@4270.16,3982.48
  Bottom Layer w10: v1(2720,4300) 2720,4230 v1(2950,4000) ; v2(3970,3820) 3975,3820 4005,3850 4005,3965 4050,4010 4205,4010 v2(4245,4050)
DEBUGRED: R52.1 U00.40 | length 3808
  Top Layer w10: R52.1@2717.24,4150 2717.24,4162.24 2756,4201 2756,4350 2740,4366 2740,4480 2770,4510 2770,4810 3020,5060 4200,5060 4295,4965 v1(4295,4795) ; U00.40@4497.52,4190.16 4579.84,4190.16 4600,4170 4700,4170 v1(4730,4200)
  Bottom Layer w10: v1(4295,4795) 4270,4770 4270,4356.01 4310,4316.01 4310,4315.66 4365,4260.66 4365,4228.99 4403.99,4190 4580,4190 4605,4165 4695,4165 v1(4730,4200)
GND: B00.1 Bt00.2 C00.1 C01.1 C02.1 C03.1 C04.1 C05.1 C08.1 C09.1 C010.1 C011.1 C012.1 C12.2 C13.1 C14.1 C15.1 C20.2 C21.1 C22.1 C23.1 C24.1 C25.1 C41.1 C51.1 C53.1 D23.1 D24.2 D25.2 E10.2 E11.2 H20.3 H21.3 I0.7 I0.18 I0.25 I0.26 J20.2 P1.2 P2.2 P3.2 P4.2 P5.2 P6.2 P7.2 P8.4 R09.1 R23.1 R56.1 R510.1 R512.1 S40.6 S40.9 S40.10 S40.11 S40.12 SWDCont..3 T50.2 TG0.1 U0.5 U0.6 U00.18 U00.31 U00.47 U00.63 U1.5 U1.6 U20.1 U21.1 X01.0 | length 27931.9
  Top Layer w10: C53.1@2632.76,3447.24 R510.1@2632.76,3522.76 2680,3570 2870,3570 ; C51.1@2632.76,3792.76 R56.1@2722.76,3702.76 2735.51,3690 2850,3690 2870,3670 2870,3570 ; C51.1@2632.76,3797.24 R512.1@2632.76,3882.76 ; T50.2@2927,4166 2927,4141 2943,4125 3125,4125 ; v1(3100,4360) 3097.76,4357.76 C010.1@3050,4357.76 2995,4412.76 2995,4747.24 C09.1@3050,4802.24 3118.35,4870.59 3480.12,4870.59 X01.0@3580,4770.71 ; v1(3130,3460) 3100,3460 2990,3570 2870,3570 ; C011.1@3705.24,4353 C011.1@3705,4352.76 3685.43,4352.76 3650.11,4317.44 3489.56,4317.44 3455,4352 3455,4645.71 X01.0@3580,4770.71 ; C05.1@3840,4447.24 3840,4490 v1(3850,4500) 3850,4530 3755,4625 3707.24,4625 C012.1@3705,4627.24 3705,4645.71 X01.0@3580,4770.71 ; v1(3960,4430) 3986.59,4456.59 C03.1@3986.59,4493.41 4023.19,4530 4108.13,4530 4152.05,4486.08 U00.63@4152.05,4417.52 ; U00.18@4152.05,3982.48 4152.05,4007.95 4140,4020 4113.87,4020 4067.28,3973.41 C00.1@4053.41,3973.41 4040,3960 3957.24,3960 R09.1@3882.24,3885 3955,3885 4000,3840 4000,3520 H21.3@4060,3460 C24.1@4170,3460 4253.62,3460 4284.45,3490.83 4284.45,3435.55 4320,3400 4527.24,3400 C23.1@4580,3452.76 ; U00.31@4407.95,3982.48 4407.95,3917.05 4420,3905 4485,3905 4500,3890 4556.81,3890 C01.1@4573.41,3906.59 4573.41,3843.41 4470,3740 4470,3640 4420,3590 4420,3400 ; U00.47@4497.52,4327.95 4587.95,4327.95 4610,4350 v1(4610,4400) 4610,4456.81 C02.1@4573.41,4493.41 ; v1(4890,4090) 4890,3935 4962.76,3862.24 R23.1@4962.76,3840 ; v1(4980,3750) 4962.76,3767.24 R23.1@4962.76,3840 ; C25.1@4980,4132.76 D23.1@4980,4071.85 5011.85,4071.85 v1(5030,4090) ; C12.2@5117.24,4360 5120.43,4363.19 I0.18@5120.43,4474.17 ; C15.1@5127.76,3840 5127.76,3872.24 5107.76,3892.24 5015,3892.24 R23.1@4962.76,3840 ; C14.1@5192.76,4835 5222.8,4804.96 I0.7@5222.8,4745.83 v1(5222.8,4677.8) ; C14.1@5197.76,4840 C14.1@5197.76,4844.22 ; C13.1@5289.74,4362.5 5299.57,4372.32 I0.25@5299.57,4474.17 ; v1(5299.57,4534.57) I0.25@5299.57,4474.17 ; I0.26@5325.16,4474.17 I0.25@5299.57,4474.17 ; H20.3@5370,3950 5380,3950 v1(5450,4020) ; C41.1@5752.83,4126.76 5752.83,3999 v1(5747.83,3994) 5783.65,3994 5811.06,3966.59 5893.8,3966.59 5919.13,3941.25 5919.13,3922.01 E11.2@5922.83,3918.31 5922.83,3944 5931.83,3953 U1.5@6015.83,3953 ; SWDCont..3@5810,4900 5860,4850 5860,4680 5991.83,4548.17 U0.6@6029.83,4548.17 ; E10.2@5923.83,4398.31 5923.83,4423 5933.83,4433 U0.5@6015.83,4433 ; U0.6@6029.83,4193.83 6050,4214 v1(6122.83,4214) 6235.5,4214 U0.6@6255.83,4193.67 6255.83,4231 v1(6182.83,4304) 6182.83,4310.35 6066.34,4426.84 6021.99,4426.84 U0.5@6015.83,4433 ; v1(6202.83,3934) 6235.83,3934 ; U0.6@6255.83,4548 6255.67,4548.17 U0.6@6029.83,4548.17 ; U0.5@6015.83,4433 6015.83,4534.17 U0.6@6029.83,4548.17
  Top Layer w20: TG0.1@2450,4380 2402.76,4427.24 D24.2@2402.76,4530 D25.2@2402.76,4680 2452.76,4730 2452.76,4772.76 ; C08.1@2670,4842.76 2600,4772.76 2452.76,4772.76 ; v1(2800,3750) 2950,3750 ; v1(2950,3840) 2950,3750 ; P1.2@3080,3080 3150,3010 3240,3010 3380,3150 4010,3150 4030,3130 P2.2@4030,3080 4100,3150 4890,3150 4930,3110 P3.2@4930,3080 ; v1(3130,3460) 3130,3530.21 2950,3710.21 2950,3750 ; v1(4730,3420) 4870,3560 C22.1@4910,3560 ; v1(4910,3620) C22.1@4910,3560 ; U20.1@5029.45,3475.83 5029.45,3559.45 5008.9,3580 4930,3580 C22.1@4910,3560 ; v1(5330,3400) C21.1@5330,3462.76 5447.24,3462.76 P4.2@5830,3080 ; P5.2@5330,5280 5255,5205 4505,5205 P6.2@4430,5280 4430,5270 4370,5210 3600,5210 P7.2@3530,5280 3440,5190 3070,5190 P8.4@2980,5280 2980,5170 2850,5040 2490,5040 2441.57,5088.43 B00.1@2430.63,5088.43 2380,5037.8 2380,4845.51 2452.76,4772.76 ; C20.2@5710,3695.98 6011.98,3695.98 U1.6@6029.83,3713.83 6030,3713.67 6235.83,3713.67 6290,3679.5 6290,3445 J20.2@6305,3430
  Top Layer w25: C51.1@2632.76,3792.76 C51.1@2632.76,3797.24 ; 3125,4125 v1(3180,4180) ; v1(3300,4100) 3385.28,4100 Bt00.2@3390,4104.72 ; P4.2@5830,3080 5940,3190 6100,3190 J20.2@6290,3380 ; U1.6@6029.83,4068.17 U0.6@6029.83,4193.83 ; U1.6@6235.83,3713.67 6235.83,3830 ; U0.6@6255.83,4193.67 U1.6@6255.83,4068 6235.83,4048 6235.83,3934 6235.83,3854.17 v1(6260,3830)
  Bottom Layer w10: v1(3100,4360) 3100,4330 3180,4250 v1(3180,4180) ; v1(3850,4500) 3890,4500 v1(3960,4430) 3990,4400 3990,4340 4100,4230 4160,4230 4170,4220 4170,4187.24 C04.1@4175,4182.24 ; v1(4610,4400) 4650,4360 5080,4360 ; v1(4910,3620) 4980,3690 v1(4980,3750) ; v1(5222.8,4677.8) 5222.8,4611.34 v1(5299.57,4534.57) 5174.57,4534.57 5130,4490 5130,4410 v1(5120,4400) 5080,4360 ; v1(5450,4020) 5450,4070 5421,4099 5039,4099 v1(5030,4090) v1(4890,4090) 4850,4090 4830,4110 4830,4190 4880,4240 4960,4240 5080,4360 ; S40.9@5648.68,4285.65 S40.10@5648.68,4061.24 5715.93,3994 v1(5747.83,3994) 5771.27,3994 5826.27,3939 6087.12,3939 6116.12,3910 6178.83,3910 v1(6202.83,3934) ; S40.6@6062.07,4230.54 6066.84,4225.76 6111.07,4225.76 v1(6122.83,4214) ; S40.12@6166.4,4348.65 6182.83,4332.21 v1(6182.83,4304)
  Bottom Layer w20: TG0.1@2450,4380 2450,4360 2800,4010 v1(2800,3750) ; P1.2@3080,3080 3080,3410 v1(3130,3460) ; H21.3@4060,3460 4100,3420 v1(4730,3420) 4745,3420 4890,3275 4890,3120 P3.2@4930,3080 ; v1(4910,3620) 5130,3400 v1(5330,3400)
  Bottom Layer w25: v1(2950,3840) 3210,4100 v1(3300,4100) 3220,4180 v1(3180,4180) ; S40.11@6205.77,3830.93 6206.7,3830 v1(6260,3830)
  other v1: 5080,3280 5140,3280 5200,3280 5260,3280 5080,3340 5140,3340 5200,3340 5260,3340 5540,3580 4600,3640 4660,3640 4720,3640 4780,3640 4840,3640 5300,3640 5360,3640 5420,3640 5480,3640 5540,3640 4600,3700 4660,3700 4720,3700 4780,3700 4840,3700 5240,3700 5300,3700 5360,3700 5420,3700 4660,3760 4720,3760 4780,3760 4840,3760
GP0: I0.22
GP1: I0.23